# Altium PCB test.PcbDoc (continued)
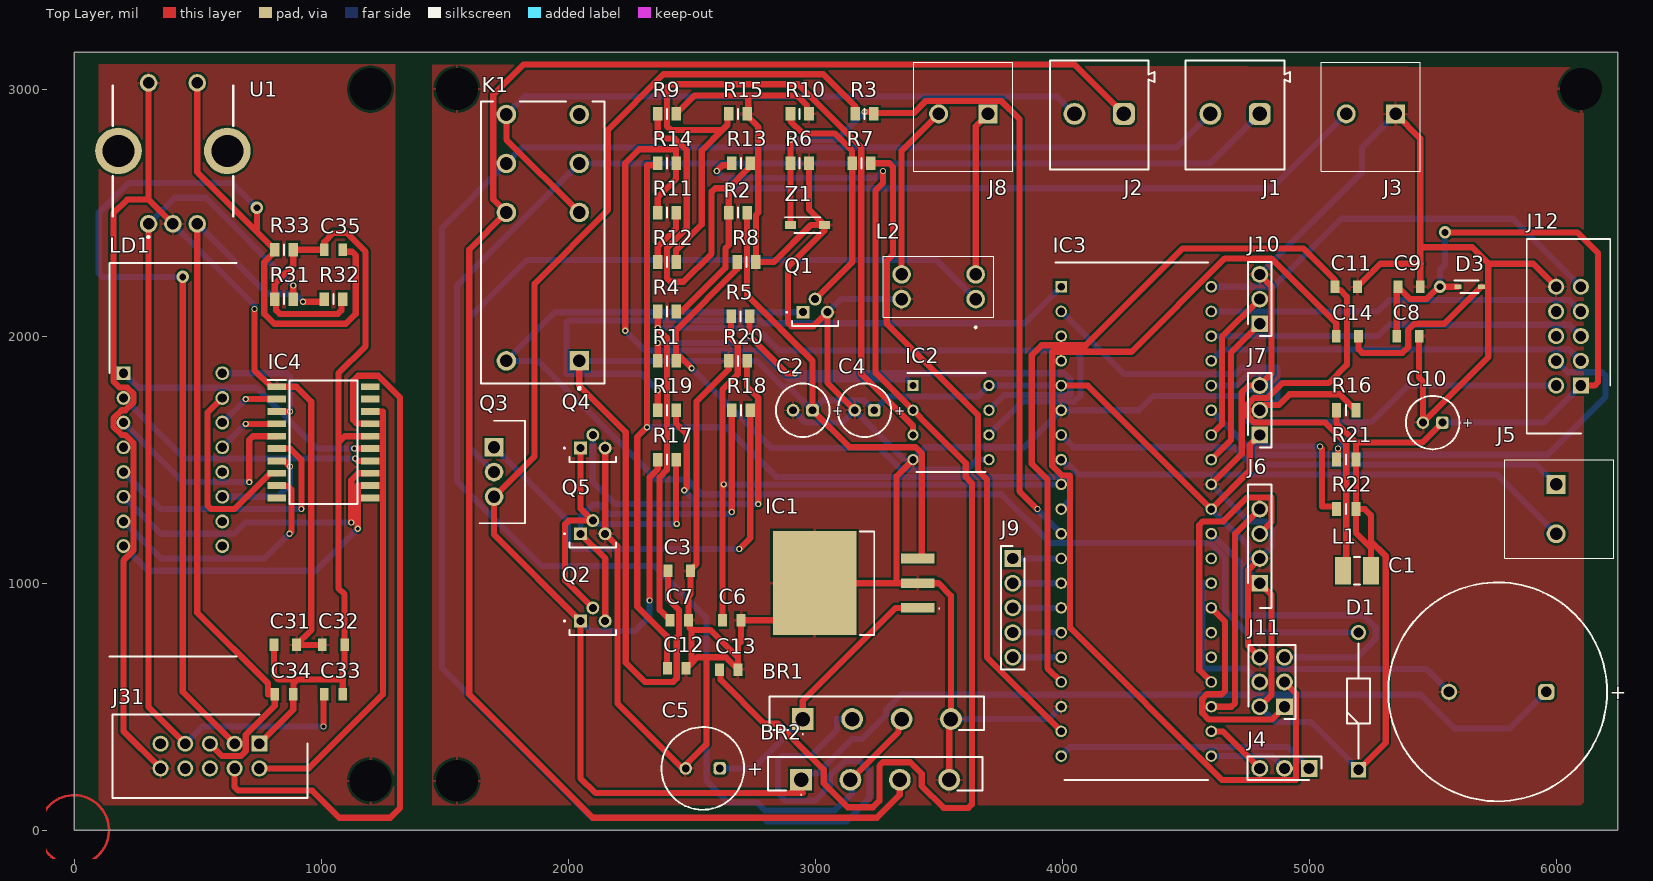
[diagram p0: Top Layer view]
## Part data
BR1 BR2: "Bridge Rectifier", Manufacturer_Name=Vishay, Manufacturer_Part_Number=GBU6J-E3/45, Datasheet Link=http://www.vishay.com/docs/88615/gbu6a.pdf, Height=18.8mm
C1: "Capacitor Polarised 50V 4700uF", Manufacturer_Name=Kemet, Mouser2 Part Number=80-ESK478M050AQ3AA, Datasheet Link=https://componentsearchengine.com//ESK478M050AQ3AA.pdf, Height=37mm, Manufacturer_Part_Number=ESK478M050AQ3AA, Mouser2 Price/Stock=https://www.mouser.com/Search/Refine.aspx?Keyword=80-ESK478M050AQ3AA
C2 C4 C5 C10: "Capacitor Polarised 50VDC 10uF", Manufacturer_Name=Panasonic, Mouser2 Part Number=667-EEU-FR1H100, Datasheet Link=https://componentsearchengine.com//EEU-FR1H100.pdf, Height=12.5mm, Manufacturer_Part_Number=EEU-FR1H100, Mouser2 Price/Stock=https://www.mouser.com/Search/Refine.aspx?Keyword=667-EEU-FR1H100
C3 C8 C9 C11 C14 C32: "Capacitor  0.1 uF 50VDC", Manufacturer_Name=Kemet, Mouser2 Part Number=80-C0805C104K5RACLR, Datasheet Link=https://componentsearchengine.com//C0805C104K5RAC7411.pdf, Height=0.88mm, Manufacturer_Part_Number=C0805C104K5RAC7411, Mouser2 Price/Stock=https://www.mouser.com/Search/Refine.aspx?Keyword=80-C0805C104K5RACLR
C6 C7 C12 C13 C33 C34 C35: "Capacitor 0.01µF 50VDC", Manufacturer_Name=Kemet, Height=0.88mm, Manufacturer_Part_Number=C0805C103K5TACAUTO
C31: "Capacitor  100 uF 50VDC", Manufacturer_Name=Kemet, Mouser2 Part Number=80-C0805C104K5RACLR, Datasheet Link=https://componentsearchengine.com//C0805C104K5RAC7411.pdf, Height=0.88mm, Manufacturer_Part_Number=C0805C104K5RAC7411, Mouser2 Price/Stock=https://www.mouser.com/Search/Refine.aspx?Keyword=80-C0805C104K5RACLR
D1: "Diode", Manufacturer_Name="Diodes Inc.", Mouser2 Part Number=621-1N4007G-T, Datasheet Link=https://componentsearchengine.com//1N4007G-T.pdf, Manufacturer_Part_Number=1N4007G-T, Mouser2 Price/Stock=https://www.mouser.com/Search/Refine.aspx?Keyword=621-1N4007G-T
D3: "Diode", Manufacturer_Name=PANJIT, Datasheet Link=https://www.mouser.it/datasheet/2/1057/1N4148WS-1869723.pdf, Height=0.95mm, Manufacturer_Part_Number=1N4148WS_R1_00001
IC1: "Integrated Circuit", Manufacturer_Name="Texas Instruments", Datasheet Link=http://www.ti.com/general/docs/suppproductinfo.tsp?distId=26&gotoUrl=http%3A%2F%2Fwww.ti.com%2Flit%2Fgpn%2Ftl780, Height=5.08mm, Manufacturer_Part_Number=TL780-05CKTTR
IC2: "Integrated Circuit, opamp", Manufacturer_Name=Microchip, Manufacturer_Part_Number=MCP6002-E/P, Mouser2 Part Number=579-MCP6002-E/P, Datasheet Link=https://componentsearchengine.com//MCP6002-E_P.pdf, Height=5.334mm, Mouser2 Price/Stock=https://www.mouser.com/Search/Refine.aspx?Keyword=579-MCP6002-E%2FP
IC3: "Integrated Circuit", Manufacturer_Name=Microchip, Mouser2 Part Number=556-ATMEGA4809-PF, Datasheet Link=https://componentsearchengine.com//ATMEGA4809-PF.pdf, Height=6.35mm, Manufacturer_Part_Number=ATMEGA4809-PF, Mouser2 Price/Stock=https://www.mouser.com/Search/Refine.aspx?Keyword=556-ATMEGA4809-PF
IC4: "LED Drive Control Special Circuit", Package=Package, Availability="Not in stock", Check_prices=https://www.snapeda.com/parts/TM1637/Titan+Micro+Electronics/view-part/?ref=eda, MF="Titan Micro Electronics", MP=TM1637, Price=None, SnapEDA_Link=https://www.snapeda.com/parts/TM1637/Titan+Micro+Electronics/view-part/?ref=snap
J1 J2 J3 J5 J8: "Connector", Manufacturer_Name="Phoenix Contact", Datasheet Link=http://www.phoenixcontact.com/de/produkte/1711725/pdf, Height=18.2mm, Manufacturer_Part_Number=1711725
J4 J6 J7 J10: "Connector", Manufacturer_Name=Amphenol, Height=8.58mm
  J4 J7 J10: Manufacturer_Part_Number=10129378-903001BLF
  J6: Datasheet Link=https://cdn.amphenol-icc.com/media/wysiwyg/files/drawing/10129378.pdf, Manufacturer_Part_Number=10129378-904001BLF
J9: "Connector", Manufacturer_Name="FCI Electronics", Datasheet Link=https://cdn.amphenol-icc.com/media/wysiwyg/files/drawing/10129378.pdf, Height=8.58mm, Manufacturer_Part_Number=10129378-905001BLF
J11: "Connector", Manufacturer_Name=Amphenol, Mouser2 Part Number=649-1012938190602BLF, Datasheet Link=https://componentsearchengine.com//10129381-906002BLF.pdf, Height=8.58mm, Manufacturer_Part_Number=10129381-906002BLF, Mouser2 Price/Stock=https://www.mouser.com/Search/Refine.aspx?Keyword=649-1012938190602BLF
J12 J31: "Connector", Manufacturer_Name=3M, Mouser2 Part Number=517-N2510-6002RB, Datasheet Link=https://componentsearchengine.com//N2510-6002RB.pdf, Height=9.91mm, Manufacturer_Part_Number=N2510-6002RB, Mouser2 Price/Stock=https://www.mouser.com/Search/Refine.aspx?Keyword=517-N2510-6002RB
K1: library part CMP-03395-000241-1, "RELAY GEN PURPOSE DPDT 8A 115V", Case/Package=DIP, Coil Resistance=8.1kR, Coil Voltage (AC)=115V, Contact Current Rating=8A, Max Current Rating=15A, Max Operating Temperature=70°C, Max Voltage Rating (AC)=400V, Min Operating Temperature=-40°C, Package Quantity=500, Power Rating=760mW, Ratings=IP54, Switching Capacity=2kW, Application(s)=POWER, Approvals=CSA, Coil Type=Non-Latching, Contact Material=Silver, Current Rating=8A, Depth=12.7mm, Height=15.7mm, Length=29mm, Mount="Through Hole", Number of Pins=8, Operate Time=8ms, Packaging=Rail/Tube, Radiation Hardening=No, Relay Type="General Purpose", RoHS Compliant=Yes, Series="RT2, SCHRACK", Switching Current=8A, Termination="PC Pin", Throw Configuration=DPDT, Voltage Rating (AC)=400V, Width=12.7mm
L1: library part CMP-14484-000123-1, "SMD Inductors 10uH ±20% 0.9A 0.1729Ω 1210", Case Code (Imperial)=1210, Case Code (Metric)=3225, Current Rating=900mA, DC Resistance (DCR)=172.9mR, Inductance=10uH, Inductance Tolerance=20%, Max Operating Temperature=105°C, Min Operating Temperature=-40°C, Package Quantity=1000, Resistor Type=Wirewound, Self Resonant Frequency=23MHz, Test Frequency=100kHz, Case/Package=1210, Core Material=Ferrite, DC Current=900mA, Depth=2.7mm, Halogen Free="Halogen Free", Height=2.5mm, Height - Seated (Max)=0.106inch, Lead Free="Lead Free", Length=3.4mm, Max DC Current=900mA, Military Standard=Not, Mount="Surface Mount", Number of Pins=2, Packaging="Tape and Reel", Radiation Hardening=No, Saturation Current=900mA, Series=CB, Shielding=Unshielded, Termination=SMD/SMT, Tolerance=20%, Width=0.098inch
L2: "Transformer", Manufacturer_Name="Laird Technologies", Datasheet Link=https://datasheet.datasheetarchive.com/originals/dk/DKDS-7/122753.pdf, Height=9.5mm, Manufacturer_Part_Number=CM2545X171B-10
LD1: "Display", Manufacturer_Name=Vishay, Mouser2 Part Number=78-TDCG1050, Datasheet Link=https://componentsearchengine.com//TDCG1050M.pdf, Height=7.25mm, Manufacturer_Part_Number=TDCG1050M, Mouser2 Price/Stock=https://www.mouser.com/Search/Refine.aspx?Keyword=78-TDCG1050
Q1 Q2 Q4: "Transistor BJT NPN", Manufacturer_Name="ON Semiconductor", Datasheet Link=https://www.onsemi.com/pdf/datasheet/bc550-d.pdf, Height=5.33mm, Manufacturer_Part_Number=BC547CBU
Q3: "MOSFET (P-Channel)", Manufacturer_Name=Infineon, Mouser2 Part Number=942-IRF9Z34NPBF, Datasheet Link=https://componentsearchengine.com//IRF9Z34NPBF.pdf, Height=4.69mm, Manufacturer_Part_Number=IRF9Z34NPBF, Mouser2 Price/Stock=https://www.mouser.com/Search/Refine.aspx?Keyword=942-IRF9Z34NPBF
Q5: "Transistor BJT PNP", Manufacturer_Name="ON Semiconductor", Mouser2 Part Number=512-BC557BTA, Datasheet Link=https://componentsearchengine.com//BC557BTA.pdf, Height=4.19mm, Manufacturer_Part_Number=BC557BTA, Mouser2 Price/Stock=https://www.mouser.com/Search/Refine.aspx?Keyword=512-BC557BTA
R1 R6 R7 R11 R12 R19 R31 R32 R33: "Resistor 10KOhm", Manufacturer_Name=Vishay, Datasheet Link=https://www.arrow.com/en/products/crcw080510k0dheap/vishay, Height=0.5mm, Manufacturer_Part_Number=CRCW080510K0DHEAP
R2 R9: "Resistor 1MOhm", Manufacturer_Name=Bourns, Datasheet Link=https://www.bourns.com/pdfs/chpreztr.pdf, Height=0.6mm, Manufacturer_Part_Number=CR0805-JW-105ELF
R3: "Resistor 68KOhm", Manufacturer_Name=Vishay, Datasheet Link=https://www.arrow.com/en/products/crcw080510k0dheap/vishay, Height=0.5mm, Manufacturer_Part_Number=CRCW080510K0DHEAP
R4 R5 R13 R14: "Resistor 5.6KOhm", Manufacturer_Name=Vishay, Datasheet Link=http://www.vishay.com/docs/20035/dcrcwe3.pdf, Height=0.5mm, Manufacturer_Part_Number=CRCW08055K60FKTA
R8 R15: "Resistor 510Ohm", Manufacturer_Name="TE Connectivity", Datasheet Link=https://datasheet.datasheetarchive.com/originals/distributors/DKDS-21/401696.pdf, Height=0.65mm, Manufacturer_Part_Number=CPF0805B18KE
R10 R16 R17 R20 R21 R22: "Resistor 4.7KOhm", Manufacturer_Name=Vishay, Mouser2 Part Number=71-CRCW08054K70FKEAH, Datasheet Link=https://componentsearchengine.com//CRCW08054K70FKEAHP.pdf, Height=0.5mm, Manufacturer_Part_Number=CRCW08054K70FKEAHP, Mouser2 Price/Stock=https://www.mouser.com/Search/Refine.aspx?Keyword=71-CRCW08054K70FKEAH
R18: "Resistor 100Ohm", Manufacturer_Name="TE Connectivity", Datasheet Link=https://datasheet.datasheetarchive.com/originals/distributors/DKDS-21/401696.pdf, Height=0.65mm, Manufacturer_Part_Number=CPF0805B18KE
U1: "Undefined or Miscellaneous", Manufacturer_Name=Bourns, Mouser2 Part Number=652-PEC11R-4225F-S24, Datasheet Link=https://componentsearchengine.com//PEC11R-4225F-S0024.pdf, Manufacturer_Part_Number=PEC11R-4225F-S0024, Mouser2 Price/Stock=https://www.mouser.com/Search/Refine.aspx?Keyword=652-PEC11R-4225F-S24
Z1: "Zener Diode", Manufacturer_Name="ON Semiconductor", Mouser2 Part Number=863-SZMMSZ5231BT1G, Datasheet Link=https://componentsearchengine.com//SZMMSZ5231BT1G.pdf, Height=1.35mm, Manufacturer_Part_Number=SZMMSZ5231BT1G, Mouser2 Price/Stock=https://www.mouser.com/Search/Refine.aspx?Keyword=863-SZMMSZ5231BT1G

## Free pads (board coordinates)
  round 60 hole 169.29: 1(6100,3000) 2(1550,200) 3(1550,3000) 4(1200,3000) 5(1200,200)

## Via types
v1: diameter 25, hole 15, Top Layer to Bottom Layer, 38 vias
v2: diameter 50, hole 28, Top Layer to Bottom Layer, 4 vias

## Nets (pads, with @x,y where several pads share a name; then routed paths per layer and width w, separated by ;. In a path a pad name is that pad's centre, name@x,y a point inside that pad or via, vN(x,y) a via of type N, cw(c..) or ccw(c..) an arc to the next point about the centre after c; other vN are vias at no path point)
+5: C2.1 C3.1 C4.1 C8.1 C9.1 C10.1 C31.1 C32.1 C33.1 C34.1 C35.1 D1.1 D3.1 IC1.3 IC2.8 IC3.5 IC3.31 IC4.16 J6.1 J7.1 J11.2 J12.1 J31.1 K1.A1 L1.2 R2.2 R16.1 R21.2 R22.2 R31.1 R32.1 R33.1 | length 17166.3
  Top Layer w25: J31.1 887.4,487.4 C34.1 888.39,550.98 888.39,595.36 903.03,610 ; C31.1 809.45,627.95 827.4,610 903.03,610 ; C33.1 1087.4,610 ; R32.1 1082.48,2145.08 1082.48,2104.64 1067.84,2090 832.16,2090 817.52,2104.64 817.52,2145.08 R31.1 812.6,2212 887.4,2286.8 R33.1 C35.1 1012.6,2380.6 1050,2418 1103,2418 1180,2341 1180,1960 1070,1850 1070,1569.23 ; IC4.16 1095.77,1595 1070,1569.23 ; K1.A1 2045.28,1800 2233.39,1611.89 2233.39,677.61 2311,600 2425.36,600 2440,614.64 2440,780 2449,789 2449,891 2404.72,935.28 C3.1 ; R2.2 2724.8,2165.2 2989.37,1900.63 C2.1 3139.37,1550 3407,1550 3432,1525 3432,1107.19 3424.81,1100 IC1.3 ; IC3.5 4103.74,1800 IC3.31 4759.88,1456.14 4759.88,1559.88 J7.1 ; J11.2 4847,547 4847,953 J6.1 ; R16.1 5110.63,1648.02 5149.65,1609 5189.37,1569.63 ; D1.1 5310,354.88 5310,1110 5250,1170 ; L1.2 5250,1144 ; C8.1 5354.72,2043 5354.72,2195.28 C9.1 5409.45,2150 5475,2150 5525,2200 v2(5530,2200) D3.1 ; C10.1 5459,1569.63 5189.37,1569.63 ; v2(5550,2420) 6085.36,2420 6170,2335.36 6170,1814.64 6155.36,1800 J12.1 ; 903.03,610 1087.4,610 ; 1070,1569.23 1070,979.59 1095.28,954.32 C32.1 1095.28,659.47 1087.4,651.6 1087.4,610 ; R22.2 R21.2 5189.37,1569.63 ; R22.2 5189.37,1204.63 5250,1144 ; R22.2 5225,1300 5250,1275 5250,1170 ; 5250,1144 5250,1170
  Bottom Layer w25: K1.A1 2764.35,1900 2868.78,1795.56 2893.81,1795.56 C2.1 3028.37,1739 3200.37,1739 C4.1 3295.37,1756 3659.74,1756 IC2.8 IC3.5 ; IC3.31 4753,1150.74 4753,1047 J6.1 ; J11.2 4862,438 5006.88,438 D1.1 ; v2(5530,2200) 5530,2270 5550,2290 v2(5550,2420) ; C10.1 5950,1650 J12.1
GND: BR1.4 BR2.4 C1.2 C2.2 C3.2 C4.2 C5.2 C6.2 C7.2 C8.2 C9.2 C10.2 C11.2 C12.2 C13.2 C31.2 C32.2 IC1.2 IC1.4 IC2.4 IC3.6 IC3.18 IC3.32 IC4.1 J3.1 J6.2 J7.3 J10.3 J11.6 J12.10 J31.10 L2.4 pad.1 pad.2 pad.3 pad.5 Q1.3 Q4.3 Q5.3 R6.2 R8.2 R9.2 R10.2 R15.2 R20.2 U1.3 U1.4 Z1.2 | length 23884.5
  Top Layer w25: U1.4 301.57,2553.15 ; J31.10 200,400 200,1092.29 240.81,1133.1 240.81,1566.9 207.71,1600 192.29,1600 159.19,1633.1 159.19,1666.9 192.29,1700 207.71,1700 240.81,1733.1 240.81,1766.9 215.92,1791.78 184.08,1791.78 159.19,1816.67 159.19,2497.7 214.64,2553.15 301.57,2553.15 ; U1.3 301.57,2553.15 ; v1(730,2110) 730,1862.4 797.4,1795 IC4.1 900,1795 960,1735 960,810 C31.2 C32.2 ; Q4.3 Q5.3 2200,1150 2200,512.2 2462.2,250 2560,347.8 2560,700 ; R9.2 2511.37,2973.97 2724.25,2973.97 ; C12.2@2474.8,650 2474.8,651.61 2500,676.8 ; R20.2 2650,1866 2520,1736 2520,1077.74 2505.36,1063.09 2500.49,1063.09 2495.28,1057.87 C3.2 2495.28,953.87 2487.4,946 C7.2 2492.62,844.78 2492.62,818.38 2500,811 ; C13.2 C13.2@2687.4,651.2 ; R15.2@2724.8,2904.21 R15.2 ; R6.2 2974.8,2512.99 Z1.2 Z1.2@3037,2450 ; R10.2 2967.62,2907.19 2967.62,2933.19 2926.84,2973.97 2724.25,2973.97 ; C4.2 3050,1810.63 Q1.3 2993.15,2040 2904.64,2040 2890,2054.64 2890,2279 3037,2426 Z1.2@3037,2450 ; IC2.4 3329.92,1433.66 3329.92,1000 ; BR2.4 3542.89,442.89 BR1.4 3550,950 3500,1000 IC1.2 3329.92,1000 ; IC3.32 4727,1523.26 4727,1772 4755,1800 J7.3 4847,1847 4847,2203 J10.3 ; J11.6 4753,747 4753,1053 J6.2 ; C11.2 5288.28,2293 5453,2293 ; J3.1 5450,2800 5450,2360 ; C8.2 5445.28,1832.35 5460.63,1817 C10.2 5725,1914.37 5725,2293 ; C9.2 5450,2360 ; J12.10 5907,2293 5727.5,2293 5660.5,2360 5450,2360 ; 2500,676.8 2523.2,700 2560,700 ; 2500,676.8 2500,811 ; 2500,811 2576.4,811 2687.4,700 ; 2560,700 2638.6,700 C13.2@2687.4,651.2 ; C13.2@2687.4,651.2 2687.4,700 ; 2687.4,700 2687.4,750 2700,762.6 C6.2 2998.23,850 IC1.4 3329.92,1000 ; 2724.25,2973.97 2729.05,2969.16 2729.05,2904.25 R15.2 ; R15.2 2724.8,2892 2770,2846.8 2770,2500 2760,2490 R8.2 2833,2300 2983,2450 Z1.2@3037,2450
  Bottom Layer w25: U1.3 730,2124.72 v1(730,2110) ; C2.2 2960.63,1650 3110.63,1650 C4.2 3360.63,1500 IC2.4 3446.26,1550 3846.26,1550 IC3.6 4311,1700 4369,1758 4728.03,1758 4753.46,1783.43 4783.43,1783.43 J7.3 ; Q1.3 3103.15,2150 L2.4 ; BR1.4 3946.26,450 IC3.18 ; IC3.32 4753.74,1250 4822,1250 4847,1225 4847,1147 J6.2 ; J11.6 4847,653 5473.3,653 C1.2 ; J10.3 5214,2664 5214,2764 J3.1
Net5_1: IC3.7 J5.1 | length 2086.6
  Bottom Layer w25: IC3.7 4046.26,1550 4697,1550 4767,1480 5920,1480 J5.1
Net5_2: IC3.8 J5.2 | length 2128
  Bottom Layer w25: IC3.8 4017.5,1478.76 4026.99,1478.76 4065.75,1440 5760,1440 J5.2
NetBR1_1: BR1.1 C5.1 IC1.1 | length 1128.1
  Top Layer w25: BR1.1 2950,524 3326,900 IC1.1
  Bottom Layer w25: C5.1@2600,250 2750,250 BR1.1
NetBR1_2: BR1.2 J1.2 K1.21 | length 8239.8
  Bottom Layer w25: BR1.2 3088,450 3088,405 2983,300 2864.64,300 2850,285.36 2850,150 2880,120 3000,120 3060,180 3060,220 3119.64,279.64 3180.36,279.64 3220,240 3220,129 3125.75,34.75 2806.54,34.75 2791.29,50 2096,50 1490,656 1490,2439.21 K1.21 1814.79,2764 4464,2764 J1.2
NetBR1_3: BR1.3 BR2.2 J1.1 K1.11 | length 7280
  Top Layer w25: BR2.2@3150,200 3150,211.1 3337.95,399.05 3337.95,437.95 BR1.3
  Bottom Layer w25: BR2.2@3150,200 3150,150 3080,80 2797,80 2765,112 2649,112 2560,201 2560,860 2351,1069 1893,1069 1550,1412 1550,2203.94 K1.11 2136,2699.21 2136.21,2699 4599,2699 J1.1
NetBR2_3: BR2.3 J2.1 K1.22 | length 7247.5
  Top Layer w25: BR2.3 3342.89,142.89 3250,50 2100,50 1600,550 1600,2350.79 K1.22 1697,2553.79 1697,2977 1820,3100 4050,3100 J2.1
NetC6_1: C6.1 IC3.9 R5.1 | length 2637
  Top Layer w25: C6.1 2625.2,1395.2 v1(2630,1400) 2625.2,1404.8 2625.2,1784.2 2687,1846 2687,1963 2660,1990 R5.1
  Bottom Layer w25: v1(2630,1400) IC3.9
NetC7_1: C7.1 IC2.6 R4.1 | length 3655
  Top Layer w25: R4.1 v1(2362.6,2033) 2362.6,2031.03 2400,1993.62 2400,1459 2370,1429 2370,918 2370.05,917.95 2370.05,891.68 2398.64,863.09 2407.38,863.09 2412.6,857.87 C7.1
  Bottom Layer w25: v1(2362.6,2033) 2762,2033 2853,1942 4050,1942 4075,1917 4075,1761.06 4050,1736.06 3839.8,1736.06 IC2.6
NetC11_1: C11.1 IC3.17 L1.1 | length 4682.2
  Top Layer w25: IC3.17 3940.25,656.01 3940.25,1420 3877,1483.25 3877,1923 3917,1963 4096,1963 4488,2355 4976,2355 5104.72,2226.28 5104.72,2192.13 5109.94,2186.91 5125.36,2186.91 5153,2159.26 5153,1884 5079,1810 4892,1810 4832,1750 4778,1750 4753,1725 4753,1675 4778,1650 5065,1650 5150,1565 5150,1062.27 L1.1
NetC12_1: C12.1 IC3.10 R14.1 | length 4098.4
  Top Layer w25: R14.1 2362.6,2692 2319,2692 v1(2319,1631) 2280,1592 2280,905 2400,785 C12.1@2400,650
  Bottom Layer w25: v1(2319,1631) 2641,1631 2842,1430 3975.26,1430 3981.32,1436.06 4012.29,1436.06 4033,1415.36 4033,1336.74 IC3.10
NetC13_1: C13.1 IC2.2 R13.1 | length 5090.3
  Top Layer w25: v1(2602,2669) 2625,2692 2662.6,2692 R13.1 ; C13.1 2616.97,645.63 2616.97,608.03 2794.35,430.65 2849.35,430.65 3035,245 3035,190 3132,93 3234,93 3260,119 3260,260.36 3274.64,275 3385,275 3431.66,228.34 3431.66,178.34 3520,90 3620.36,90 3635,104.64 3635,1405 3610,1430 3610,1486.26 3245,1851.26 3245,2590 3274.49,2619.49 v1(3274.49,2669)
  Bottom Layer w25: v1(2602,2669) 2631,2640 3245.49,2640 v1(3274.49,2669)
NetC14_1: C14.1 J11.3 | length 4220.7
  Top Layer w25: J11.3 4947,553 4947,203 4648,203 4032.32,818.68 4032.32,1436.06 3998.94,1436.06 3960,1475 3960,1937 4281,1937 4659,2315 4846,2315 5109.45,2051.55 C14.1
NetC14_2: C14.2 D3.2 | length 708.1
  Top Layer w25: C14.2 5200,1946.64 5214.64,1932 5377,1932 5401,1956 5401,2025 5426,2050 5547.24,2050 D3.2
NetC33_2: C33.2 J31.7 R31.2 U1.1 | length 3713.4
  Top Layer w25: U1.1 301.57,498.43 J31.7 ; R31.2 v1(887.4,2205) ; v1(1010,420) C33.2@1010,546.69
  Bottom Layer w25: U1.1 406.85,2560 532.4,2560 v1(887.4,2205) ; J31.7 520,420 v1(1010,420)
NetC34_2: C34.2 J31.5 R32.2 U1.2 | length 3159.9
  Top Layer w25: U1.2 498.43,880.57 785,594 785,550 C34.2 812.6,503.83 695.23,386.47 695.23,319.88 675.36,300 600,300 J31.5 ; v1(927,2139) 1012.6,2139 R32.2
  Bottom Layer w25: U1.2 781.15,2172 894,2172 v1(927,2139)
NetC35_2: C35.2 J31.3 R33.2 U1.5 | length 5184.4
  Top Layer w25: v2(440,2240) 440,560 J31.3 ; U1.5 498.43,2664.17 740,2422.6 ; v2(740,2520) 740,2422.6 ; C35.2 1087.4,2346.83 1092.62,2341.61 1125.36,2341.61 1140,2326.97 1140,2090 1100,2050 810,2050 770,2090 770,2299.4 805.41,2334.81 805.41,2342.81 R33.2 740,2422.6
  Bottom Layer w25: v2(440,2240) 114.64,2240 100,2254.64 100,2500 220,2620 640,2620 v2(740,2520)
NetD1_2: D1.2 K1.A2 Q1.1 | length 5313.1
  Bottom Layer w25: Q1.1 1946.85,2096.85 K1.A2 1876.12,1900 2356.12,1420 2480,1420 2540,1360 3754,1360 3951,1163 4600,1163 4660,1103 4660,888 4748,800 D1.2
NetIC2_1: IC2.1 R11.1 R14.2 | length 2453.2
  Top Layer w25: v1(2231,2022) 2231,2700 2288,2757 2437.4,2757 R14.2 2437.4,2636.8 2362.6,2562 R11.1
  Bottom Layer w25: v1(2231,2022) 2311,1942 2776.49,1942 2893.75,1824.75 3371.51,1824.75 IC2.1
NetIC2_3: IC2.3 R12.2 R15.1 | length 3225.2
  Top Layer w25: R12.2 2437.4,2348.8 2541,2452.4 2541,2751 2625,2835 ; R15.1 2644.86,2894.86 2644.86,2854.86 2625,2835 ; IC2.3 3396.26,1638 3187,1847.26 3187,2765 2932,3020 2414.64,3020 2400,3005.36 2400,2849.64 2414.64,2835 2625,2835
NetIC2_5: IC2.5 R1.2 R8.1 | length 1981.2
  Top Layer w25: v1(2500,1870) 2453.7,1916.3 R1.2 2437.4,2024.4 2685.2,2272.2 R8.1
  Bottom Layer w25: v1(2500,1870) 2822.51,1547.49 3260.32,1547.49 3347.73,1460.08 3613.94,1460.08 3653.86,1500 IC2.5
NetIC2_7: IC2.7 R1.1 R5.2 | length 2324.4
  Top Layer w25: R1.1 v1(2362.6,1972) ; R5.2 v1(2734.8,2000) 2884.8,1850 v1(2919,1850)
  Bottom Layer w25: v1(2362.6,1972) 2706.8,1972 v1(2734.8,2000) ; v1(2919,1850) 4008,1850 4033,1825 4033,1762 3765.74,1762 IC2.7
NetIC3_1: IC3.1 R19.1 | length 2758.4
  Top Layer w25: R19.1 v1(2362.6,1781)
  Bottom Layer w25: v1(2362.6,1781) 2295.72,1847.87 1993.15,1847.87 1993.15,2055 2002.15,2064 2777,2064 2789,2052 3848.26,2052 IC3.1
NetIC3_2: IC3.2 J7.2 R16.2 | length 1673.9
  Top Layer w25: J7.2 4800,1721 4877.13,1721 4921.13,1765 5124.37,1765 R16.2
  Bottom Layer w25: IC3.2 4249.26,1847 4703.07,1847 4728.03,1871.97 4871.97,1871.97 4871.97,1728.03 4828.03,1728.03 J7.2
NetIC3_11: IC3.11 R3.2 R6.1 Z1.1 | length 3126.7
  Top Layer w25: Z1.1 R6.1 v1(2900,2795) ; v1(3200,2908) 3237.4,2908 R3.2@3237.4,2903 ; R3.2 R3.2@3237.4,2903 ; v1(3900,1300) 3827.18,1372.82 3827.18,2879.18 3754.36,2952 3448,2952 3399,2903 R3.2@3237.4,2903
  Bottom Layer w25: v1(2900,2795) 3087,2795 v1(3200,2908) ; v1(3900,1300) 3900,1296.26 IC3.11
NetIC3_12: IC3.12 J9.1 | length 196.3
  Bottom Layer w25: J9.1 IC3.12
NetIC3_13: IC3.13 J9.2 | length 196.3
  Bottom Layer w25: J9.2 IC3.13
NetIC3_14: IC3.14 J9.3 | length 196.3
  Bottom Layer w25: J9.3 IC3.14
NetIC3_15: IC3.15 J9.4 | length 196.3
  Bottom Layer w25: J9.4 IC3.15
NetIC3_16: IC3.16 J9.5 | length 196.3
  Bottom Layer w25: J9.5 IC3.16
NetIC3_19: IC3.19 R7.2 | length 2684.5
  Top Layer w25: R7.2 3300.36,2700 3315,2685.36 3315,2330 3290,2305 3290,2050.75 3660,1680.75 3660,1455 3695.25,1419.75 3695.25,701.01 IC3.19
NetIC3_20: IC3.20 J4.1 | length 1055.1
  Bottom Layer w25: IC3.20 4033.26,337 4913,337 J4.1
NetIC3_21: IC3.21 J4.2 | length 317
  Bottom Layer w25: IC3.21 4850,300 J4.2
NetIC3_22: IC3.22 J4.3 | length 258.4
  Top Layer w25: IC3.22 4650,400 J4.3
NetIC3_23: IC3.23 J6.4 | length 929.1
  Top Layer w25: IC3.23 4685.36,500 4700,514.64 4700,1200 J6.4
NetIC3_24: IC3.24 J6.3 | length 1160.3
  Top Layer w25: IC3.24 4555,648.74 4555,1235.36 4569.64,1250 4653,1250 4750,1347 4847,1347 4847,1247 J6.3
NetIC3_27: IC3.27 J11.1 | length 887.3
  Top Layer w25: IC3.27 4660,843.74 4660,564.64 4645.36,550 4586.06,550 4567,530.94 4567,475 4594,448 4848,448 J11.1
NetIC3_28: IC3.28 J11.4 | length 638.1
  Bottom Layer w25: IC3.28 4567,1000 4567,654 4746,654 J11.4
NetIC3_30: IC3.30 J11.5 | length 1386.1
  Bottom Layer w25: IC3.30 4726,1077.74 4726,878 4734,870 5220,870 5270,820 5270,776 5194,700 J11.5
NetIC3_33: IC3.33 J10.1 | length 631.3
  Top Layer w25: IC3.33 4684,1580.26 4684,1934 J10.1
NetIC3_34: IC3.34 J10.2 | length 631.3
  Top Layer w25: IC3.34 4647,1643.26 4647,1997 J10.2
NetIC3_35: IC3.35 J12.4 R22.1 | length 2686.4
  Top Layer w25: v1(5044,1553) 5052,1545 5052,1310 5110.63,1310 R22.1
  Bottom Layer w25: IC3.35 4750.74,1553 ; v1(5044,1553) 4750.74,1553 ; J12.4 6046,1854 6185.36,1854 6200,1839.36 6200,1754 5966,1520 4783.74,1520 4750.74,1553
NetIC3_36: IC3.36 J12.2 R21.1 | length 2029.6
  Top Layer w25: R21.1 5116.83,1506.2 5116.83,1545.08 v1(5117,1545.25)
  Bottom Layer w25: IC3.36 4707.29,1800 4754,1846.71 4846.71,1846.71 4846.71,1775.71 4824,1753 4779,1753 4753,1727 4753,1653 5225,1653 ; v1(5117,1545.25) 5117.25,1545.25 5225,1653 ; J12.2 5400,1800 5253,1653 5225,1653
NetIC3_37: IC3.37 J12.3 | length 1534.4
  Bottom Layer w25: IC3.37 4649.74,1946 6054,1946 J12.3
NetIC3_38: IC3.38 J12.5 | length 1534.4
  Bottom Layer w25: IC3.38 5278,2000 5324,2046 6054,2046 J12.5
NetIC3_39: IC3.39 J12.7 | length 1534.4
  Bottom Layer w25: IC3.39 5278,2100 5324,2146 6054,2146 J12.7
NetIC3_40: IC3.40 J12.9 | length 1724.1
  Bottom Layer w25: IC3.40 4855,2200 5130,2475 5825,2475 J12.9
NetIC4_2: IC4.2 LD1.14 | length 260.4
  Top Layer w25: v1(695,1745) IC4.2
  Bottom Layer w25: LD1.14 v1(695,1745)
NetIC4_3: IC4.3 LD1.16 | length 473.4
  Top Layer w25: IC4.3 v1(874,1695)
  Bottom Layer w25: LD1.16 859.36,1850 874,1835.36 v1(874,1695)
NetIC4_4: IC4.4 LD1.13 | length 260.4
  Top Layer w25: v1(695,1645) IC4.4
  Bottom Layer w25: LD1.13 v1(695,1645)
NetIC4_5: IC4.5 LD1.3 | length 898.3
  Top Layer w25: v1(709.21,1409) 709.21,1580.36 723.86,1595 IC4.5
  Bottom Layer w25: LD1.3 441,1409 v1(709.21,1409)
NetIC4_6: IC4.6 LD1.5 | length 1099.7
  Top Layer w25: IC4.6 875,1545 920,1500 v1(920,1300)
  Bottom Layer w25: LD1.5 350,1300 v1(920,1300)
NetIC4_7: IC4.7 LD1.11 | length 429.2
  Top Layer w25: IC4.7 851,1495 v1(874,1472)
  Bottom Layer w25: LD1.11 824,1350 874,1400 v1(874,1472)
NetIC4_8: IC4.8 LD1.15 | length 807.4
  Top Layer w25: LD1.15 540,1690 540,1314.64 554.64,1300 648.47,1300 793.47,1445 IC4.8
NetIC4_9: IC4.9 LD1.7 | length 1023.5
  Top Layer w25: IC4.9 822.3,1393.72 865.36,1393.72 880,1379.08 880,1208 v1(872,1200)
  Bottom Layer w25: LD1.7 350,1100 772,1100 v1(872,1200)
NetIC4_12: IC4.12 LD1.8 | length 1285.8
  Top Layer w25: v1(1148,1220) 1148,1395 IC4.12
  Bottom Layer w25: LD1.8 300,1050 978,1050 v1(1148,1220)
NetIC4_13: IC4.13 LD1.6 | length 1262.8
  Top Layer w25: v1(1122,1246) 1122,1417 1150,1445 IC4.13
  Bottom Layer w25: LD1.6 350,1200 648,1200 694,1246 v1(1122,1246)
NetIC4_14: IC4.14 LD1.2 | length 1104.6
  Top Layer w25: v1(1138,1505) 1148,1495 IC4.14
  Bottom Layer w25: LD1.2 445,1505 v1(1138,1505)
NetIC4_15: IC4.15 LD1.1 | length 1125.3
  Top Layer w25: v1(1134,1545) IC4.15
  Bottom Layer w25: LD1.1 259,1791 739,1791 985,1545 v1(1134,1545)
NetIC4_17: IC4.17 J31.4 | length 2944.7
  Top Layer w25: J31.4 650,174.64 664.64,160 964,160 1074,50 1280,50 1320,90 1320,1751.53 1231.53,1840 1150,1840 1130,1820 1130,1660.92 1144.64,1646.28 1197.7,1646.28 IC4.17
NetIC4_18: IC4.18 J31.2 | length 1820.3
  Top Layer w25: J31.2 950,250 1250,550 1250,1695 IC4.18
NetJ2_2: J2.2 K1.12 K1.24 | length 2878.1
  Top Layer w25: K1.24 1750,2796.06 K1.12
  Bottom Layer w25: K1.24 1822.36,2970 3980,2970 J2.2
NetJ3_2: J3.2 R2.1 R4.2 R9.1 R13.2 | length 4701.1
  Top Layer w25: R9.1 2362.6,2814.64 2377.24,2800 2432,2800 2480,2752 2480,2436 2400,2356 2400,2234.64 2414.64,2220 2467,2220 2581,2334 2581,2584.36 2595.64,2599 v1(2650,2599) ; R4.2 2460,2100 2637,2277 2637,2355 2650,2368 R2.1 v1(2650,2599) ; R13.2 2730.22,2692.81 2730.22,2679.22 v1(2650,2599)
  Bottom Layer w25: v1(2650,2599) 4849,2599 J3.2
NetJ8_1: J8.1 L2.2 | length 670.7
  Top Layer w25: L2.2 3650,2850 J8.1
NetJ8_2: J8.2 L2.3 | length 712.1
  Top Layer w25: L2.3 3350.25,2250.25 3350.25,2750.25 J8.2
NetL2_1: L2.1 Q3.2 | length 2878.4
  Bottom Layer w25: Q3.2 1600,1550 1600,2075 1833,2308 3492,2308 L2.1
NetQ1_2: Q1.2 R7.1 R10.1 | length 991.3
  Top Layer w25: R10.1 2900,2871 2950,2821 3079,2821 3149.86,2750.14 3149.86,2700.14 R7.1 3150,2300 Q1.2
NetQ2_2: Q2.2 Q4.1 Q5.2 R17.2 | length 1423.9
  Top Layer w25: Q4.1 2050,1303.15 Q5.2 2002.64,1253.15 1988,1238.51 1988,1012 Q2.2 ; R17.2 2437.4,1242.6 v1(2440,1240)
  Bottom Layer w25: Q5.2 2107.44,1253.15 2120.59,1240 v1(2440,1240)
NetQ2_3: Q2.3 Q5.1 R18.1 | length 1526.9
  Top Layer w25: Q5.1 2150,1100 Q2.3 ; v1(2662.6,1288) R18.1
  Bottom Layer w25: Q5.1 2050,1268 2100,1318 2126,1318 2164,1280 2654.6,1280 v1(2662.6,1288)
NetQ3_1: Q3.1 R18.2 | length 1795
  Top Layer w25: v1(2693,1138) 2737.4,1182.4 R18.2
  Bottom Layer w25: Q3.1 2000,1250 2000,1163 2025,1138 v1(2693,1138)
NetQ4_2: Q4.2 R19.2 R20.1 | length 1920.4
  Top Layer w25: R19.2 2437.4,1646 2480,1603.4 2480,1386 v1(2470,1376) ; R20.1 2724.8,1796 2770,1750.8 v1(2770,1320)
  Bottom Layer w25: Q4.2 2100,1411 2191,1320 2526,1320 ; v1(2470,1376) 2526,1320 ; v1(2770,1320) 2526,1320
NetR11_2: R11.2 R12.1 | length 231
  Top Layer w25: R12.1 2362.6,2362 2437.4,2436.8 R11.2
VIN: BR2.1 C1.1 Q2.1 Q3.3 R3.1 R17.1 | length 9322.3
  Top Layer w25: v1(2330,930) 2330,1429 2362.6,1461.6 R17.1 ; 2950,150 2111,150 2050,211 Q2.1 1700,1196.85 Q3.3 1864,1514 1864,2213 2162,2511 2162,2836 2386,3060 3033,3060 3162.6,2930.4 R3.1
  Bottom Layer w25: Q2.1 2089.85,807 2271,807 2330,866 v1(2330,930) ; BR2.1 2967.85,228.96 3008.96,228.96 3148.54,368.54 3188.54,368.54 3288.18,468.18 3288.18,488.18 3348,548 5452,548 5589,411 5811,411 C1.1
pads on no net: IC3.3 IC3.4 IC3.25 IC3.26 IC3.29 IC4.10 IC4.11 IC4.19 IC4.20 J12.6 J12.8 J31.6 J31.8 J31.9 K1.14 LD1.4 LD1.9 LD1.10 LD1.12 U1.6 U1.7
copper on no net: | length 888.6
  Top Layer w10: 141.42,0 ccw(c0,0) 141.42,0

## Polygon pours and split planes (outlines as drawn)
GND on Top Layer "GND_L01_P003" (solid, pour order 3): 1450,3099.94 1450,100.06 6100,100.06 6112.27,112.32 6112.27,3089.33
GND on Top Layer "GND_L01_P000" (solid, pour order 0): 100,3100 100,100 1300,100 1300,3100
GND on Bottom Layer "GND_L02_P001" (solid, pour order 1): 6100,3100 6100,100 1450,100 1450,3100
GND on Bottom Layer "GND_L02_P002" (solid, pour order 2): 100,3100 100,100 1300,100 1300,3100

## Text inside footprints (layer, text, board x,y; h text height)
C1: Top Overlay "+" at 6217.87,530.47 h59.06
C2: Top Overlay "+" at 3070.08,1680.32 h39.37
C4: Top Overlay "+" at 3320.08,1680.32 h39.37
C5: Top Overlay "+" at 2724.13,220.47 h59.06
C10: Top Overlay "+" at 5620.08,1630.32 h39.37